# Altium PCB PCB1.PcbDoc (part 1 of 2) (continued)
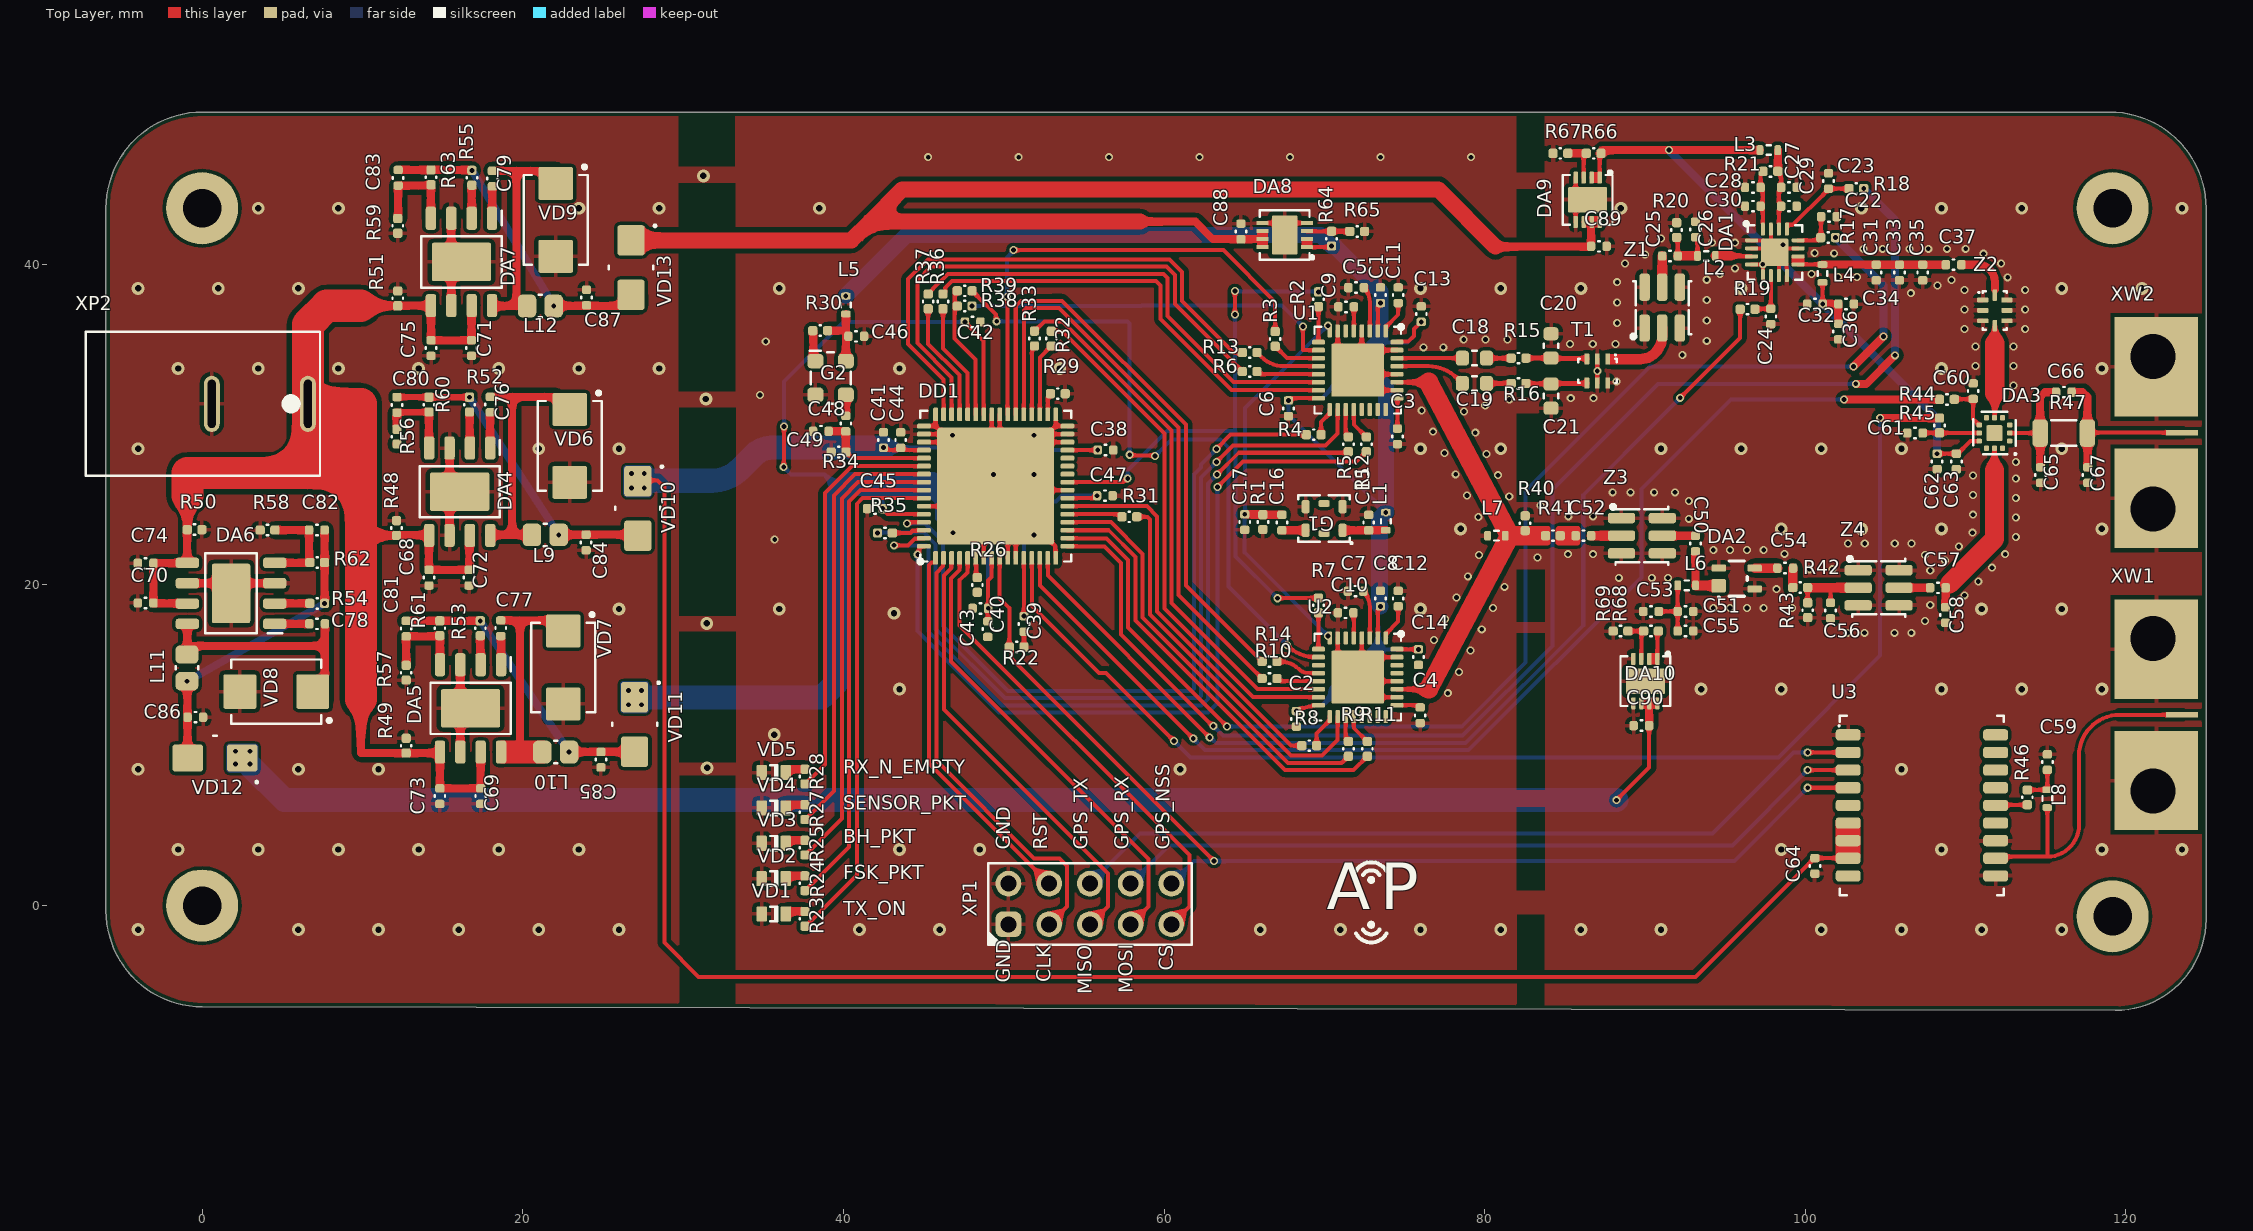
[diagram p0: Top Layer view]
## Components (designator, comment, footprint, x,y, rotation, side; value= is the part's Value field where it differs from the comment) (continued)
R10 "100 Ом ± 0 % 0 Вт 0402" RESC100X50X40L25N 66.582,14.162 r0 top value="100 Ом"
R11 "100 Ом ± 0 % 0 Вт 0402" RESC100X50X40L25N 72.682,9.775 r90 top value="100 Ом"
R12 "100 Ом ± 0 % 0 Вт 0402" RESC100X50X40L25N 72.62,28.772 r90 top value="100 Ом"
R13 "100 Ом ± 0 % 0 Вт 0402" RESC100X50X40L25N 65.345,34.497 r0 top value="100 Ом"
R14 "100 Ом ± 0 % 0 Вт 0402" RESC100X50X40L25N 66.582,15.225 r0 top value="100 Ом"
R15 "22,3 Ом ± 0 % 0 Вт 0402" RESC100X50X40L25N 82.115,34.147 r0 top value="22,3 Ом"
R16 "22,3 Ом ± 0 % 0 Вт 0402" RESC100X50X40L25N 82.115,32.572 r0 top value="22,3 Ом"
R17 "300 Ом ± 0 % 0 Вт 0402" RESC100X50X40L25N 101.425,41.665 r180 top value="300 Ом"
R18 "300 Ом ± 0 % 0 Вт 0402" RESC100X50X40L25N 103.185,44.725 r180 top value="300 Ом"
R19 "300 Ом ± 0 % 0 Вт 0402" RESC100X50X40L25N 96.4,37.2 r0 top value="300 Ом"
R20 "TBD ± 0 % 0 Вт 0402" RESC100X50X40L25N 91.975,42.14 r90 top value=TBD
R21 "4 Ом ± 0 % 0 Вт 0402" RESC100X50X40L25N 97.825,45.8 r180 top value="4 Ом"
R22 "10 кОм ± 0 % 0 Вт 0402" RESC100X50X40L25N 50.805,16.121 r180 top value="10 кОм"
R23 "470 Ом ± 0 % 0 Вт 0402" RESC100X50X40L25N 37.6,-0.825 r90 top value="470 Ом"
R24 "470 Ом ± 0 % 0 Вт 0402" RESC100X50X40L25N 37.6,1.394 r90 top value="470 Ом"
R25 "470 Ом ± 0 % 0 Вт 0402" RESC100X50X40L25N 37.6,3.613 r90 top value="470 Ом"
R26 "0 Ом ± 0 % 0 Вт 0402" RESC100X50X40L25N 48.35,20 r90 top value="0 Ом"
R27 "470 Ом ± 0 % 0 Вт 0402" RESC100X50X40L25N 37.6,5.831 r90 top value="470 Ом"
R28 "470 Ом ± 0 % 0 Вт 0402" RESC100X50X40L25N 37.6,8.05 r90 top value="470 Ом"
R29 "0 Ом ± 0 % 0 Вт 0402" RESC100X50X40L25N 53.375,31.93 r180 top value="0 Ом"
R30 "10 кОм ± 0 % 0 Вт 0402" RESC100X50X40L25N 38.55,35.863 r180 top value="10 кОм"
R31 "100 Ом ± 0 % 0 Вт 0402" RESC100X50X40L25N 57.835,24.254 r180 top value="100 Ом"
R32 "100 Ом ± 0 % 0 Вт 0402" RESC100X50X40L25N 52.969,35.369 r270 top value="100 Ом"
R33 "100 Ом ± 0 % 0 Вт 0402" RESC100X50X40L25N 51.919,35.371 r270 top value="100 Ом"
R34 "DNP ± 0 % 0 Вт 0402" RESC100X50X40L25N 39.7,28.287 r180 top value=DNP
R35 "100 Ом ± 0 % 0 Вт 0402" RESC100X50X40L25N 42.59,23.242 r180 top value="100 Ом"
R36 "100 Ом ± 0 % 0 Вт 0402" RESC100X50X40L25N 46.213,37.687 r90 top value="100 Ом"
R37 "100 Ом ± 0 % 0 Вт 0402" RESC100X50X40L25N 45.288,37.687 r90 top value="100 Ом"
R38 "100 Ом ± 0 % 0 Вт 0402" RESC100X50X40L25N 47.566,37.397 r0 top value="100 Ом"
R39 "100 Ом ± 0 % 0 Вт 0402" RESC100X50X40L25N 47.566,38.347 r0 top value="100 Ом"
R40 "53 Ом ± 0 % 0 Вт 0402" RESC100X50X40L25N 82.525,23.85 r90 top value="53 Ом"
R41 "0 Ом ± 0 % 0 Вт 0402" RESC100X50X40L25N 84.26,23.072 r180 top value="0 Ом"
R42 "0 Ом ± 0 % 0 Вт 0402" RESC100X50X40L25N 99.685,19.835 r180 top value="0 Ом"
R43 "154 Ом ± 0 % 0 Вт 0402" RESC100X50X40L25N 100.15,18.425 r270 top value="154 Ом"
R44 "300 Ом ± 0 % 0 Вт 0402" RESC100X50X40L25N 108.835,31.575 r0 top value="300 Ом"
R45 "300 Ом ± 0 % 0 Вт 0402" RESC100X50X40L25N 108.375,29.95 r270 top value="300 Ом"
R46 "10 Ом ± 0 % 0 Вт 0402" RESC100X50X40L25N 113.85,6.75 r270 top value="10 Ом"
R47 "0 Ом ± 0 % 0 Вт 1206" RESC310X160X55L50N 116.125,29.475 r0 top value="0 Ом"
R48 "10 кОм ± 0 % 0 Вт 0402" RESC100X50X40L25N 12.125,23.55 r90 top value="10 кОм"
R49 "10 кОм ± 0 % 0 Вт 0402" RESC100X50X40L25N 12.725,9.975 r90 top value="10 кОм"
R50 "10 кОм ± 0 % 0 Вт 0402" RESC100X50X40L25N -0.475,23.45 r0 top value="10 кОм"
R51 "10 кОм ± 0 % 0 Вт 0402" RESC100X50X40L25N 12.2,37.875 r90 top value="10 кОм"
R52 "47 кОм ± 0 % 0 Вт 0402" RESC100X50X40L25N 16.675,31.25 r90 top value="47 кОм"
R53 "47 кОм ± 0 % 0 Вт 0402" RESC100X50X40L25N 17.35,17.3 r90 top value="47 кОм"
R54 "47 кОм ± 0 % 0 Вт 0402" RESC100X50X40L25N 7.175,18.85 r0 top value="47 кОм"
R55 "47 кОм ± 0 % 0 Вт 0402" RESC100X50X40L25N 16.825,45.4 r90 top value="47 кОм"
R56 "3.01 кОм ± 0 % 0 Вт 0402" RESC100X50X40L25N 12.15,29.25 r270 top value="3.01 кОм"
R57 "3.01 кОм ± 0 % 0 Вт 0402" RESC100X50X40L25N 12.725,14.525 r270 top value="3.01 кОм"
R58 "2 кОм ± 0 % 0 Вт 0402" RESC100X50X40L25N 4.075,23.425 r180 top value="2 кОм"
R59 "3.01 кОм ± 0 % 0 Вт 0402" RESC100X50X40L25N 12.2,42.4 r270 top value="3.01 кОм"
R60 "5,23 кОм ± 0 % 0 Вт 0402" RESC100X50X40L25N 14.15,31.25 r270 top value="5,23 кОм"
R61 "2,4 кОм ± 0 % 0 Вт 0402" RESC100X50X40L25N 14.825,17.3 r270 top value="2,4 кОм"
R62 "7,23 кОм ± 0 % 0 Вт 0402" RESC100X50X40L25N 7.175,21.4 r180 top value="7,23 кОм"
R63 "6,42 кОм ± 0 % 0 Вт 0402" RESC100X50X40L25N 14.275,45.425 r270 top value="6,42 кОм"
R64 "4,42 кОм ± 0 % 0 Вт 0402" RESC100X50X40L25N 70.45,41.603 r90 top value="4,42 кОм"
R65 "3,01 кОм ± 0 % 0 Вт 0402" RESC100X50X40L25N 72.05,42.053 r0 top value="3,01 кОм"
R66 "4,42 кОм ± 0 % 0 Вт 0402" RESC100X50X40L25N 86.8,46.925 r180 top value="4,42 кОм"
R67 "3,01 кОм ± 0 % 0 Вт 0402" RESC100X50X40L25N 84.725,46.925 r180 top value="3,01 кОм"
R68 "9,42 кОм ± 0 % 0 Вт 0402" RESC100X50X40L25N 90.375,17.125 r180 top value="9,42 кОм"
R69 "3,01 кОм ± 0 % 0 Вт 0402" RESC100X50X40L25N 88.475,17.125 r180 top value="3,01 кОм"
T1 "0868BM15C0001*" LCC065P125X200X085-6 87.028,33.35 r270 top
U1 "SX1257IWLTRT" SX1257IWLTRT 72.085,33.397 r270 top
U2 "SX1257IWLTRT" SX1257IWLTRT 72.085,14.247 r270 top
U3 "MAX-7*" MAX-7-Q0 107.275,6.25 r0 top
VD1 "KP-1608ZGC" KP-1608ZGC 35.65,-0.525 r180 top
VD2 "KP-1608SYCK" KP-1608ZGC 35.65,1.681 r180 top
VD3 "KP-1608QBC-D" KP-1608ZGC 35.65,3.888 r180 top
VD4 "KP-1608ZGC" KP-1608ZGC 35.65,6.094 r180 top
VD5 "KP-1608SURC" KP-1608ZGC 35.65,8.3 r180 top
VD6 "STPS3L60U" DIOM5436X11N 22.925,28.675 r270 top
VD7 "STPS3L60U" DIOM5436X11N 22.525,14.85 r270 top
VD8 "STPS3L60U" DIOM5436X11N 4.625,13.35 r180 top
VD9 "STPS3L60U" DIOM5436X11N 22.05,42.775 r270 top
VD10 "B340A-M3" DIOC4227X10N 27.175,24.775 r270 top
VD11 "B340A-M3" DIOC4227X10N 26.975,11.3 r270 top
VD12 "B340A-M3" DIOC4227X10N 0.8,9.2 r180 top
VD13 "B340A-M3" DIOC4227X10N 26.75,39.8 r270 top
XP1 "DS1021-2x5SF11-B" HDRV10W64P254_5X2_1270X508H854 55.375,0.1 r0 top
XP2 "DS-201" DS-201 0.05,31.3 r0 top
XW1 "32K243-40ML5" 32K243-40ML5 124.498,11.9 r180 top
XW2 "32K243-40ML5" 32K243-40ML5 124.498,29.5 r180 top
Z1 "FP3P7-814-10" LCCS110P300X300X146-6N 91.075,37.3 r90 top
Z2 "0868LP15A020E" LCC065P125X200X085-8 111.825,37.125 r0 top
Z3 "FP3P7-814-10" LCCS110P300X300X146-6N 89.81,23.072 r0 top
Z4 "FP3P7-814-10" LCCS110P300X300X146-6N 104.575,19.825 r0 top
? "Comment" M2_Hole#1 0,0 r0 top
? "Comment" M2_Hole#2 119.175,-0.675 r0 top
? "Comment" M2_Hole#3 119.175,43.5 r0 top
? "Comment" M2_Hole#4 0,43.5 r0 top

## Footprints (in the part's own frame and the unit in brackets; to place one, negate y for a bottom-side part, rotate by r counter-clockwise, add the part's x,y. Pads: shape width x height; smd on the part's side, far side on the other; paste and mask are expansions set on the pad)
32K243-40ML5 [mm] "Right Angle Jack PCB SMA Female End Launch Connector"
  rect 2x0.35 smd paste-1 mask+0: 1(1,0)
  rect 5.2x4 smd far side paste-4 mask+0: 2(2.6,0)
  rect 5.2x6.2 hole 2.8 copper offset -0.2,-0.65 paste-2.6 mask+0: 2(2.8,4.75)
  rect 5.2x6.2 hole 2.8 copper offset -0.2,0.65 paste-2.6 mask+0: 2(2.8,-4.75)
  body extent -9.5,-7 5,7, height 4.14
CAPC100X50X55L20N [mm] "Capacitor, Chip; 1.00 mm L X 0.50 mm W X 0.55 mm H body"
  rrect50% 0.53x0.58 smd: 1(-0.485,0) 2(0.485,0)
  silkscreen extent -0.05,-0.33 0.05,0.33, body extent -0.5,-0.25 0.5,0.25, height 0.55
CAPC160X80X90L30N [mm] "Capacitor, Chip; 1.60 mm L X 0.80 mm W X 0.90 mm H body"
  rrect50% 0.82x0.93 smd: 1(-0.755,0) 2(0.755,0)
  silkscreen extent -0.13,-0.45 0.13,0.45, body extent -0.8,-0.4 0.8,0.4, height 0.9
DIOC4227X10N [mm] "Chip Diode, 2-Leads, Body 4,25x2,67mm, IPC Medium Density"
  rrect20% 1.9x1.7 smd: 1(-1.7,0) 2(1.7,0)
  silkscreen extent -2.65,-1.4 0.1,1.55, body extent -2.25,-1.4 2.25,1.4, height 1
DIOM5436X11N [mm] "Molded Diode, 2-Leads, Body 5,40x3,63mm, IPC Medium Density"
  rrect10% 2.05x2.15 smd: 1(-2.275,0) 2(2.275,0)
  silkscreen extent -3.42,-2 2.8,2, body extent -3.02,-1.97 3.02,1.97, height 1.1
DS-201 [mm] "DC Supply"
  oval 1x3.5 hole 0.5 slot 3 at 90 deg: 1(6.55,0) 2(0.55,0)
  silkscreen extent -7.3,-4.5 7.3,4.5, body extent -7.25,-4.5 7.25,4.5, height 11
DSC1001CI2 [mm] "4-Leads, Body 2,50x3,20mm, Pitch 2,10mm, IPC Medium Density"
  rrect50% 1x0.9 smd: 1(-0.95,1.05) 2(-0.95,-1.05) 3(0.95,-1.05) 4(0.95,1.05)
  silkscreen extent -1.3,-1.6 1.25,1.7, body extent -1.25,-1.6 1.25,1.6, height 0.9
HDRV10W64P254_5X2_1270X508H854 [mm] "Header, Vertical, 2.54 mm pitch; 0.64 mm lead width, 10 pins, 2 rows, 5 pins per row, 12.70 mm L X 5.08 mm W X 8.54 mm H body"
  rrect50% 1.6x1.6 hole 1: 1(-5.08,-1.27)
  round 1.6 hole 1: 2(-5.08,1.27) 3(-2.54,-1.27) 4(-2.54,1.27) 5(0,-1.27) 6(0,1.27) 7(2.54,-1.27) 8(2.54,1.27) 9(5.08,-1.27) 10(5.08,1.27)
  silkscreen extent -6.35,-2.55 6.35,2.55, body extent -6.35,-2.54 6.35,2.54, height 8.54
INDC100X50X60L10N [mm] "Inductor, Chip; 1.00 mm L X 0.50 mm W X 0.60 mm H body"
  rrect50% 0.42x0.61 smd: 1(-0.555,0) 2(0.555,0)
  silkscreen extent -0.13,-0.3 0.13,0.3, body extent -0.5,-0.25 0.5,0.25, height 0.6
INDC200X120X110L50N [mm] "Inductor, Chip; 2.00 mm L X 1.20 mm W X 1.10 mm H body"
  rrect50% 1.15x1.42 smd: 1(-0.835,0) 2(0.835,0)
  silkscreen extent -0.1,-0.7 0.1,0.7, body extent -1,-0.6 1,0.6, height 1.1
KP-1608ZGC [mm] "SODFL, 2-Leads, Body 0,80x1,60mm, IPC Medium Density"
  rrect25% 0.65x0.95 smd: 1(-0.75,0) 2(0.75,0)
  silkscreen extent -0.3,-0.45 0.23,0.45, body extent -0.8,-0.37 0.8,0.38, height 1.1
KT2520K [mm] "6-Pins, Body 2,50x2,50mmx0,80mm"
  rrect50% 0.5x0.825 smd: 1(-1.15,-0.737) 3(1.15,-0.737) 4(1.15,0.737) 6(-1.15,0.737)
  rrect50% 0.7x0.43 smd: 2(0,-0.935) 5(0,0.935)
  silkscreen extent -1.76,-1.45 1.6,1.59, body extent -1.26,-1.26 1.26,1.26, height 0.8
LCC065P125X200X085-6 [mm] "Johanson Ceramic Packages 2mm length, 1.25mm width,0.85mm tall, 0.65mm pitch, 0.3mm pin width, 0.3mm pin length"
  rrect40% 0.7x0.3 smd: 1(-0.75,0.65) 2(-0.75,0) 3(-0.75,-0.65) 4(0.75,-0.65) 5(0.75,0) 6(0.75,0.65)
  silkscreen extent -1.05,-1.2 0.75,1.2, body extent -0.58,-1.05 0.58,1.05, height 1
LCC065P125X200X085-8 [mm] "Johanson Ceramic Packages 2mm length, 1.25mm width,0.85mm tall, 0.65mm pitch, 0.3mm pin width, 0.3mm pin length"
  rrect40% 0.7x0.3 smd: 1(-0.75,0.65) 2(-0.75,0) 3(-0.75,-0.65) 5(0.75,-0.65) 6(0.75,0) 7(0.75,0.65)
  rrect40% 0.3x0.7 smd: 4(0,-0.95) 8(0,0.95)
  silkscreen extent -1.05,-1.2 0.75,1.2, body extent -0.58,-1.05 0.58,1.05, height 1
LCCS110P300X300X146-6N [mm] "LCC, 6-Pins, Body 3,00x3,00mmx1,46mm, Pitch 1,10mm, IPC Medium Density"
  rrect50% 1.7x0.65 smd: 1(-1.275,1.1) 2(-1.275,0) 3(-1.275,-1.1) 4(1.275,-1.1) 5(1.275,0) 6(1.275,1.1)
  silkscreen extent -1.92,-1.8 1.65,1.92, body extent -1.5,-1.5 1.5,1.5, height 1.46
M2_Hole#1 [mm]
  round 4.5 / inner round 3.4 / far side round 4.5 hole 2.4: MH4(0,0)
  body extent -1.9,-1.9 1.9,1.9, height 1.3
M2_Hole#2 [mm]
  round 4.5 / inner round 3.4 / far side round 4.5 hole 2.4: MH3(0,0)
  body extent -1.9,-1.9 1.9,1.9, height 1.3
M2_Hole#3 [mm]
  round 4.5 / inner round 3.4 / far side round 4.5 hole 2.4: MH2(0,0)
  body extent -1.9,-1.9 1.9,1.9, height 1.3
M2_Hole#4 [mm]
  round 4.5 / inner round 3.4 / far side round 4.5 hole 2.4: MH1(0,0)
  body extent -1.9,-1.9 1.9,1.9, height 1.3
MAX-7-Q0 [mm] "Chip Array, Flat, 18-Leads, Pitch 1,10mm,  Body 10,35x9,70mm,  IPC Medium Density"
  rrect50% 1.55x0.7 smd: 1(-4.6,4.4) 2(-4.6,3.3) 3(-4.6,2.2) 4(-4.6,1.1) 5(-4.6,0) 6(-4.6,-1.1) 7(-4.6,-2.2) 8(-4.6,-3.3) 9(-4.6,-4.4) 10(4.6,-4.4) 11(4.6,-3.3) 12(4.6,-2.2) 13(4.6,-1.1) 14(4.6,0) 15(4.6,1.1) 16(4.6,2.2) 17(4.6,3.3) 18(4.6,4.4)
  silkscreen extent -5.21,-5.6 5.1,5.6, body extent -4.85,-5.05 4.85,5.05, height 2.5
PQFN50P200X200X60_HS-13N [mm] "PQFN, 12-Leads, Body 2.00x2.00mm, Pitch 0.50mm, Thermal Pad 1.00x1.00mm, IPC Medium Density"
  rrect50% 0.35x0.3 smd: 1(-0.95,0.5) 2(-0.95,0) 3(-0.95,-0.5) 7(0.95,-0.5) 8(0.95,0) 9(0.95,0.5)
  rrect50% 0.3x0.35 smd: 4(-0.5,-0.95) 5(0,-0.95) 6(0.5,-0.95) 10(0.5,0.95) 11(0,0.95) 12(-0.5,0.95)
  rrect20% 1x1 smd: 13(0,0)
  silkscreen extent -1.35,-1.33 1.33,1.35, body extent -1.02,-1.02 1.02,1.02, height 0.6
QFN50P300X300X90_HS-17N [mm] "QFN, 16-Leads, Body 3,00x3,00mm, Pitch 0,50mm, Thermal Pad 1,73x1,73mm, IPC Medium Density"
  rrect50% 0.8x0.25 smd: 1(-1.45,0.75) 2(-1.45,0.25) 3(-1.45,-0.25) 4(-1.45,-0.75) 9(1.45,-0.75) 10(1.45,-0.25) 11(1.45,0.25) 12(1.45,0.75)
  rrect50% 0.25x0.8 smd: 5(-0.75,-1.45) 6(-0.25,-1.45) 7(0.25,-1.45) 8(0.75,-1.45) 13(0.75,1.45) 14(0.25,1.45) 15(-0.25,1.45) 16(-0.75,1.45)
  rrect10% 1.7x1.7 smd: 17(0,0)
  silkscreen extent -1.89,-1.7 1.7,1.89, body extent -1.55,-1.55 1.55,1.55, height 0.9
RESC100X50X40L25N [mm] "Resistor, Chip; 1.00 mm L X 0.50 mm W X 0.40 mm H body"
  rrect50% 0.58x0.58 smd: 1(-0.46,0) 2(0.46,0)
  silkscreen extent -0.04,-0.32 0.04,0.33, body extent -0.5,-0.25 0.5,0.25, height 0.4
RESC310X160X55L50N [mm] "Resistor, Chip; 3.10 mm L X 1.60 mm W X 0.55 mm H body"
  rrect50% 0.96x1.71 smd: 1(-1.475,0) 2(1.475,0)
  silkscreen extent -0.78,-0.8 0.78,0.8, body extent -1.55,-0.8 1.55,0.8, height 0.55
SON9P50_300X300X80L40X25T244X160N [mm] "Small Outline No-Lead (SON with Tab), 0.50 mm pitch; 8 pin, 3.00 mm L X 3.00 mm W X 0.80 mm H body"
  rrect50% 0.27x0.76 smd: 1(-0.75,-1.385) 2(-0.25,-1.385) 3(0.25,-1.385) 4(0.75,-1.385) 5(0.75,1.385) 6(0.25,1.385) 7(-0.25,1.385) 8(-0.75,1.385)
  rrect10% 2.44x1.6 smd: 9(0,0)
  silkscreen extent -1.55,-1.78 1.55,1.55, body extent -1.5,-1.55 1.5,1.55, height 0.8
SOP127P600X175_HS-9N [mm] "SOP, 8-Leads, Body 4,90x3,90mm, Pitch 1,27mm, Thermal Pad 3,50x2,40mm, IPC Medium Density"
  rrect50% 1.45x0.65 smd: 1(-2.725,1.905) 2(-2.725,0.635) 3(-2.725,-0.635) 4(-2.725,-1.905) 5(2.725,-1.905) 6(2.725,-0.635) 7(2.725,0.635) 8(2.725,1.905)
  rrect10% 2.4x3.7 smd: 9(0,0)
  silkscreen extent -3.2,-2.5 1.6,2.5, body extent -3,-2.5 3,2.5, height 1.75
SOT130P210X100-4N [mm] "SOT343, 4-Leads, Body 2,00x2,10mm, Pitch 1,30mm, IPC Medium Density"
  rrect25% 0.9x0.85 smd: 1(1.12,0.45)
  rrect40% 0.9x0.45 smd: 2(-1.12,0.65) 3(-1.12,-0.65) 4(1.12,-0.65)
  silkscreen extent -0.65,-1.1 1.17,1.22, body extent -0.9,-1.1 0.9,1.1, height 1
SX1257IWLTRT [mm] "QFN127P600-8N Package for SX1257"
  rrect50% 0.8x0.3 smd: 1(-2.45,1.75) 2(-2.45,1.25) 3(-2.45,0.75) 4(-2.45,0.25) 5(-2.45,-0.25) 6(-2.45,-0.75) 7(-2.45,-1.25) 8(-2.45,-1.75) 17(2.45,-1.75) 18(2.45,-1.25) 19(2.45,-0.75) 20(2.45,-0.25) 21(2.45,0.25) 22(2.45,0.75) 23(2.45,1.25) 24(2.45,1.75)
  rrect50% 0.3x0.8 smd: 9(-1.75,-2.45) 10(-1.25,-2.45) 11(-0.75,-2.45) 12(-0.25,-2.45) 13(0.25,-2.45) 14(0.75,-2.45) 15(1.25,-2.45) 16(1.75,-2.45) 25(1.75,2.45) 26(1.25,2.45) 27(0.75,2.45) 28(0.25,2.45) 29(-0.25,2.45) 30(-0.75,2.45) 31(-1.25,2.45) 32(-1.75,2.45)
  rrect5% 3.3x3.3 smd: 33(0,0)
  silkscreen extent -2.82,-2.7 2.7,2.83, body extent -2.55,-2.55 2.55,2.55, height 0.8
SX1301IMLTRC [mm] "QFN127P600-8N Package for SX1301IMLTRC"
  rrect50% 0.85x0.3 smd: 1(-4.475,3.75) 2(-4.475,3.25) 3(-4.475,2.75) 4(-4.475,2.25) 5(-4.475,1.75) 6(-4.475,1.25) 7(-4.475,0.75) 8(-4.475,0.25) 9(-4.475,-0.25) 10(-4.475,-0.75) 11(-4.475,-1.25) 12(-4.475,-1.75) 13(-4.475,-2.25) 14(-4.475,-2.75) 15(-4.475,-3.25) 16(-4.475,-3.75) 33(4.475,-3.75) 34(4.475,-3.25) 35(4.475,-2.75) 36(4.475,-2.25) 37(4.475,-1.75) 38(4.475,-1.25) 39(4.475,-0.75) 40(4.475,-0.25) 41(4.475,0.25) 42(4.475,0.75) 43(4.475,1.25) 44(4.475,1.75) 45(4.475,2.25) 46(4.475,2.75) 47(4.475,3.25) 48(4.475,3.75)
  rrect50% 0.3x0.85 smd: 17(-3.75,-4.475) 18(-3.25,-4.475) 19(-2.75,-4.475) 20(-2.25,-4.475) 21(-1.75,-4.475) 22(-1.25,-4.475) 23(-0.75,-4.475) 24(-0.25,-4.475) 25(0.25,-4.475) 26(0.75,-4.475) 27(1.25,-4.475) 28(1.75,-4.475) 29(2.25,-4.475) 30(2.75,-4.475) 31(3.25,-4.475) 32(3.75,-4.475) 49(3.75,4.475) 50(3.25,4.475) 51(2.75,4.475) 52(2.25,4.475) 53(1.75,4.475) 54(1.25,4.475) 55(0.75,4.475) 56(0.25,4.475) 57(-0.25,4.475) 58(-0.75,4.475) 59(-1.25,4.475) 60(-1.75,4.475) 61(-2.25,4.475) 62(-2.75,4.475) 63(-3.25,4.475) 64(-3.75,4.475)
  rrect5% 7.3x7.3 smd: 65(0,0)
  silkscreen extent -4.82,-4.7 4.7,4.82, body extent -4.55,-4.55 4.55,4.55, height 1

## Part data
C1 C2 C3 C4 C5 C6 C7 C8 C9 C10 C11 C12 C13 C14 C15 C16 C17 C22 C23 C24 C25 C26 C27 C28 C29 C30 C31 C32 C33 C34 C35 C36 C37 C38 C39 C40 C41 C42 C43 C44 C45 C46 C47 C48 C49 C50 C51 C52 C53 C54 C55 C56 C57 C58 C59 C60 C61 C62 C63 C64 C65 C66 C67 C68 C69 C70 C71 C72 C73 C74 C75 C76 C77 C78 C79 C80 C81 C82 C83 C84 C85 C86 C87 C88 C89 C90: library part "C 0402", "Capacitor 0402", Package=0402, Tolerance="0 %", 3D_Body=+, Category=Passive, Designer=Свидерский, Peak_Condition="0 В", Status=Approved, Subcategory=Capacitor
C18 C19 C20 C21: library part "C 0603", "Capacitor 0603", Package=0603, Tolerance="0 %", 3D_Body=+, Category=Passive, Designer=Свидерский, Peak_Condition="0 В", Status=Approved, Subcategory=Capacitor
DA1: "380 to 960 MHz, 3 to 5V programmable gain high efficiency power amplifier", Manufacturer="RFD, Qorvo", Package="16-Lead QFN", 3D_Body=+, Category=IC, ComponentLink1Description="Техническое описание", ComponentLink1URL=Q:\Libs\Descriptions_PDF\RFPA0133_data_sheet.pdf, Designer=Лазба, PartNumber=RFPA0133TR7, Status=Check, Subcategory=VGA
DA2: "50 MHz to 4000 MHz Low-Noise Amplifier", Manufacturer=Qorvo, Package=SOT343, 3D_Body=+, Category=IC, ComponentLink1Description="Техническое описание", ComponentLink1URL="Q:\Libs\Descriptions_PDF\SPF5043Z Data Sheet.pdf", Designer=Лазба, PartNumber=SPF5043Z, Status=Check, Subcategory=LNA
DA3: "Broadband SPDT Switch 0.005-6 GHz", Manufacturer="Analog Devices", 3D_Body=+, Category=IC, ComponentLink1Description="Техническое описание", ComponentLink1URL="Q:\Libs\Descriptions_PDF\RFSW1012 Data Sheet.pdf", Designer=Лазба, PartNumber=RFSW1012, Status=Check, Subcategory=Switch
DA4 DA5 DA6 DA7: "Up to 3 A step-down switching regulator", Manufacturer=STMicroelectronics, Package=HSOP-8, 3D_Body=+, Category=IC, ComponentLink1Description="Техническое описание", ComponentLink1URL=Q:\Libs\Descriptions_PDF\ST1S14.pdf, Designer=Затонская, PartNumber=ST1S14PH, Status=Check, Subcategory="Power Supply"
DA8 DA9 DA10: "1.1A, Low Noise,  Low Dropout Linear Regulator", Manufacturer="Analog Devices", Package="8-LEAD (3mm × 3mm) PLASTIC DFN", 3D_Body=+, Category=IC, ComponentLink1Description="Техническое описание", ComponentLink1URL=Q:\Libs\Descriptions_PDF\LT1965.pdf, Designer=Свидерский, PartNumber=LT1965*DD, Status=Approved, Subcategory="Power Supply"
DD1: "LoRa Core™ Digital Baseband Chip for outdoor LoRaWAN® network macro gateways", Manufacturer=Semtech, Package=QFN64, 3D_Body=+, Category=IC, ComponentLink1Description="Техническое описание", ComponentLink1URL=Q:\Libs\Descriptions_PDF\DS_SX1301_V2_4_W.pdf, Designer=Лазба, PartNumber=SX1301IMLTRC, Status=Check, Subcategory=BPP
G1: "Temperature Compensated Crystal Oscillators (TCXO, VCTCXO) Surface Mount Type", Manufacturer=Kyocera, Package="Miniature SMD type (2.5×2.0×0.8mm)", Standard Freq, MHz="19.2, 26, 32, 38.4, 48, 52", 3D_Body=+, Category=IC, ComponentLink1Description="Техническое описание", ComponentLink1URL=Q:\Libs\Descriptions_PDF\kt2520_e.pdf, Designer=Лазба, PartNumber=KT2520K.*****.*.*.*.**.*.*, Status=Check, Subcategory="Crystal Oscillator"
G2: library part DSC1001/3/4***-***.****, "1.8V-3.3V Low-Power Precision CMOS Oscillators 1-150 MHz Family", Manufacturer=Microchip, 3D_Body=+, Category=IC, ComponentLink1Description="Техническое описание", ComponentLink1URL=Q:\Libs\Descriptions_PDF\DSC1001-3-4\DSC1001-3-4.pdf, ComponentLink2Description="Техническое описание 2", ComponentLink2URL=Q:\Libs\Descriptions_PDF\DSC1001-3-4\DSC1001.pdf, Designer=Лазба, PartNumber=DSC1001CI2-133.0000, Status=Check, Subcategory="Crystal Oscillator"
L1 L2 L3 L4 L5 L6 L7 L8: library part "L 0402", "Inductor 0402", Package=0402, Tolerance="0 %", 3D_Body=+, Category=Passive, Designer=Свидерский, Peak_Condition="0 А", Status=Approved, Subcategory=Inductor
L9 L10 L11 L12: library part "L 0805", "Inductor 0805", Package=0805, Tolerance="0 %", 3D_Body=+, Category=Passive, Designer=Свидерский, Peak_Condition="0 А", Status=Approved, Subcategory=Inductor
R1 R2 R3 R4 R5 R6 R7 R8 R9 R10 R11 R12 R13 R14 R15 R16 R17 R18 R19 R20 R21 R22 R23 R24 R25 R26 R27 R28 R29 R30 R31 R32 R33 R34 R35 R36 R37 R38 R39 R40 R41 R42 R43 R44 R45 R46 R48 R49 R50 R51 R52 R53 R54 R55 R56 R57 R58 R59 R60 R61 R62 R63 R64 R65 R66 R67 R68 R69: library part "R 0402", "Resistor 0402", Package=0402, Tolerance="0 %", 3D_Body=+, Category=Passive, Designer=Свидерский, Peak_Condition="0 Вт", Status=Approved, Subcategory=Resistor
R47: library part "R 1206", "Resistor 1206", Package=1206, Tolerance="0 %", 3D_Body=+, Category=Passive, Designer=Свидерский, Peak_Condition="0 Вт", Status=Approved, Subcategory=Resistor
T1: "868MHz Center Frequency Balun/Filter for high frequency ceramic solutions 10MHz Bandwidth 0.5dB 0805 (2012 Metric), 8 PC Pad", Manufacturer="Johanson Technology Inc.", 3D_Body=+, Category=Passive, ComponentLink1Description="Техническое описание", ComponentLink1URL=Q:\Libs\Descriptions_PDF\0868BM15C0001.pdf, Designer=Лазба, PartNumber=0868BM15C0001*, Status=Check, Subcategory=Filter
U1 U2: "LoRa Core™ Low Power Digital I and Q RF Multi-PHY Mode Analog Front End 860-1000MHz", Manufacturer=Semtech, Package=QFN32, 3D_Body=+, Category=IC, ComponentLink1Description="Техническое описание", ComponentLink1URL=Q:\Libs\Descriptions_PDF\DS_SX1257_V1.2.pdf, Designer=Лазба, PartNumber=SX1257IWLTRT, Status=Check, Subcategory=Transciever
U3: library part MAX-7-*, "GPS/GNSS Module", Manufacturer=u-blox, 3D_Body=+, Category=IC, ComponentLink1Description="Техническое описание", ComponentLink1URL=Q:\Libs\Descriptions_PDF\MAX_7_DataSheet__UBX_13004068_-2010070.pdf, Designer=Лазба, PartNumber=MAX-7*, Status=Check, Subcategory=Transciever
VD1 VD2 VD3 VD4 VD5: library part KP-1608***, "1.6X0.8mm SMD CHIP LED LAMP", Manufacturer=Kingbright, Package="1.6mmX0.8mm SMD LED", 3D_Body=+, Category=Discrete, ComponentLink1Description="Техническое описание", ComponentLink1URL=Q:\Libs\Descriptions_PDF\KP-1608ZGC.pdf, Designer=Ушакова, Status=Approved, Subcategory=Diode
  VD1 VD4: PartNumber=KP-1608ZGC
  VD2: PartNumber=KP-1608SYCK
  VD3: PartNumber=KP-1608QBC-D
  VD5: PartNumber=KP-1608SURC
VD6 VD7 VD8 VD9: library part STPS3L60, "60 V, 3 A low drop Schottky rectifier", Manufacturer="Diodes Incorporated", Package=SMB, 3D_Body=+, Category=Discrete, ComponentLink1Description="Техническое описание", ComponentLink1URL=Q:\Libs\Descriptions_PDF\STPS3L60.pdf, Designer=Затонская, PartNumber=STPS3L60U, Status=Check, Subcategory=Diode
VD10 VD11 VD12 VD13: "SURFACE MOUNT SCHOTTKY BARRIER RECTIFIER", Manufacturer="Diodes Incorporated", Package=SOD-123, 3D_Body=+, Category=Discrete, ComponentLink1Description="Техническое описание", ComponentLink1URL=Q:\Libs\Descriptions_PDF\DOC001652710.pdf, Designer=Затонская, PartNumber=B340A-M3, Status=Check, Subcategory=Diode
XP1: "Вилка 2,54мм", Manufacturer="Connfly Electronic", 3D_Body=+, Category=Connector, ComponentLink1Description="Техническое описание", ComponentLink1URL=Q:\Libs\Descriptions_PDF\DS1021.pdf, Designer=Свидерский, PartNumber=DS1021-2x5SF11-B, Pins=2x5, Pitch=2.54mm, Status=Approved, Subcategory=Male, System=Connector
XP2: "DC supply 2 PIN DC-005 2.1x5.5mm", Manufacturer=AMASS, 3D_Body=+, Category=Connector, ComponentLink1Description="Техническое описание", ComponentLink1URL=Q:\Libs\Descriptions_PDF\XT60PW.pdf, Designer=Лазба, PartNumber=DS-201, Pins=2, Status=Check, Subcategory=Male, System=Connector
XW1 XW2: "RF connector, Right Angle Jack PCB SMA Female End Launch Connector", Manufacturer=Rosenberger, 3D_Body=+, Category=Connector, ComponentLink1Description="Техническое описание", ComponentLink1URL=Q:\Libs\Descriptions_PDF\32K243-40ML5.pdf, Designer=Шеремет, PartNumber=32K243-40ML5, Pins=Coax, Pitch=3.5mm, Status=Approved, Subcategory=RF, System=Connector
Z1 Z3 Z4: library part FP3P7-***-**, "BandPass Filter", Manufacturer=БУТИС, Package="SMD 3,0x3,0", 3D_Body=+, Category=Passive, ComponentLink1Description="Техническое описание", ComponentLink1URL=Q:\Libs\Descriptions_PDF\FP3P7-814-10.pdf, Designer=Лазба, PartNumber=FP3P7-814-10, Status=Check, Subcategory=Filter
Z2: library part 0868LP15A020, "868MHz Center Frequency Low Pass Filter for high frequency ceramic solutions 20MHz Bandwidth 0.5dB 0805 (2012 Metric), 8 PC Pad", Manufacturer="Johanson Technology Inc.", 3D_Body=+, Category=Passive, ComponentLink1Description="Техническое описание", ComponentLink1URL=Q:\Libs\Descriptions_PDF\0868LP15A020.pdf, Designer=Лазба, PartNumber=0868LP15A020E, Status=Check, Subcategory=Filter

## Via types
v1: diameter 0.5, hole 0.3, Top Layer to Bottom Layer, tented both sides, 218 vias
v2: diameter 0.8, hole 0.4, Top Layer to Bottom Layer, tented both sides, 98 vias
v3: diameter 0.6, hole 0.3, Top Layer to Bottom Layer, tented both sides, 18 vias

## Nets (pads, with @x,y where several pads share a name; then routed paths per layer and width w, separated by ;. In a path a pad name is that pad's centre, name@x,y a point inside that pad or via, vN(x,y) a via of type N, cw(c..) or ccw(c..) an arc to the next point about the centre after c; other vN are vias at no path point)
"+1.8 VD": C39.1 C40.1 C42.1 C43.1 C45.1 C47.1 DD1.8 DD1.12 DD1.23 DD1.42 DD1.60 VD11.1 | length 95.1
  Top Layer w0.25: v1(36.275,27.367) 36.287,27.38 36.287,29.863 v1(36.3,29.875) ; v1(42.446,24.763) 42.446,24.742 42.585,24.602 42.606,24.602 42.796,24.413 DD1.60@45.025,24.413 ; v1(47.581,36.407) 47.581,36.382 48.75,35.212 DD1.42@48.75,30.638 ; C43.1@49.006,17.724 49.019,17.736 49.019,18.528 v1(49.031,18.541) ; C40.1@49.031,18.57 49.031,20.276 49.25,20.495 DD1.8@49.25,21.688 ; DD1.12@51.25,21.688 51.258,21.68 51.258,18.063 v1(51.265,18.055) C39.1@51.34,18.13 ; DD1.23@53.975,25.413 55.681,25.413 55.821,25.552 v1(55.821,25.569)
  Bottom Layer w0.25: v1(36.275,27.367) 36.742,26.9 38.8,26.9 39.897,25.803 ; v1(36.3,29.875) 36.3,32.687 40.019,36.407 v1(47.581,36.407) ; 42.433,26.31 42.446,26.297 v1(42.446,24.763) ; v1(49.031,18.541) 49.031,21.58 49.243,21.791 49.243,24.763 ; 50.835,24.763 51.285,25.213 53.266,25.213 53.623,25.569 v1(55.821,25.569) ; v1(51.265,18.055) 51.265,24.672
  Bottom Layer w1.5: 26.975,12.975 38.646,12.975 39.525,13.854 39.525,25.431 40.404,26.31 42.433,26.31 45.568,26.31 46.447,25.431 46.447,24.935 ; 49.243,24.763 50.835,24.763
  other v3: 26.6,12.525 27.4,12.525 26.6,13.425 27.4,13.425
"+3,3V RFPA_VCC": C32.1 C34.1 C36.1 C62.2 C63.2 DA3.9 DA9.1 DA9.2 L3.1 L4.1 R66.1 | length 44.5
  Top Layer w0.25: DA9.2@86.675,45.41 86.93,45.41 DA9.1@87.175,45.41 R66.1@87.175,46.925 ; L4.1@101.075,38.875 101.08,38.87 101.08,37.53 v1(101.085,37.525) ; v1(108.225,28.19) C63.2@109.425,28.19 ; C63.2@109.425,28.33 109.655,28.33 110.3,28.975 DA3.9@110.85,28.975
  Top Layer w0.3: R66.1@87.175,46.925 R66.1@87.26,46.925
  Top Layer w0.5: R66.1@87.175,46.925 87.375,47.125 v1(91.5,47.125) L3.1@97.175,47.125 ; v1(101.085,37.525) C34.1@102.065,37.525 102.07,37.52 102.07,36.29 C36.1@102.075,36.285
  Bottom Layer w0.5: v1(91.5,47.125) 91.5,47.11 108.225,30.385 v1(108.225,28.19)
"+3.3 VD": C38.1 C41.1 C44.1 C64.1 DD1.29 DD1.52 U3.6 U3.7 U3.8 VD10.1 | length 143.7
  Top Layer w0.25: v3(27.575,26.95) v3(26.775,26.95) 27.2,26.525 28.4,26.525 28.825,26.1 28.825,-2.3 30.975,-4.45 93.165,-4.45 100.575,2.96 C64.1@100.6,2.96 ; v1(42.5,28.567) 42.655,28.413 C44.1@43.719,28.413 ; C44.1@43.55,28.527 C44.1@43.575,28.553 ; C44.1@43.579,28.553 C44.1@43.719,28.413 ; DD1.52@45.025,28.413 C44.1@43.719,28.413 ; DD1.29@53.975,28.413 v1(55.865,28.413) ; C64.1@100.587,2.968 102.668,2.968 102.675,2.96 U3.8@102.675,2.95
  Top Layer w1.5: VD10.1@27.175,26.475 27.2,26.5 VD10.1@27.275,26.5
  Bottom Layer w0.25: v1(42.5,28.567) 52.555,28.567 52.71,28.413 v1(55.865,28.413)
  Bottom Layer w1.5: 27.175,26.5 31.775,26.5 ccw(c31.775,29.035) 33.567,27.242 34.445,28.12 cw(c35.525,27.04) 35.525,28.567 v1(42.5,28.567)
  other v3: 26.775,26.05 27.575,26.05
+3.3V_133M: C1.2 C2.2 C6.2 C8.2 C13.2 C14.2 DA8.1 DA8.2 L1.1 L5.1 R64.1 U1.2 U1.16 U1.32 U2.2 U2.16 U2.32 | length 106
  Top Layer w0.25: L5.1@40.15,38.018 v1(40.15,38.028) L5.1@40.15,38.038 ; v1(67.76,31.507) 67.9,31.647 U1.16@69.635,31.647 ; v1(68.257,12.135) 68.414,12.268 69.36,12.472 U2.16@69.635,12.497 ; DA8.2@68.91,41.578 DA8.1@68.91,41.078 70.385,41.078 v1(70.45,41.143) ; U2.2@73.335,16.697 73.335,18.5 v1(73.5,18.665) ; U1.2@73.335,35.847 73.335,37.422 v1(73.5,37.587) ; U2.32@74.535,15.997 74.543,15.989 75.859,15.989 v1(75.867,15.98) ; U1.32@74.535,35.147 74.56,35.172 75.234,35.172 75.597,35.536 75.597,35.956 75.889,36.247 75.889,36.268 76.028,36.407 v1(76.049,36.407)
  Bottom Layer w0.25: v1(68.257,12.135) v1@68.446,12.253 ; 68.522,12.284 69.457,12.5 69.887,12.5 70.764,13.377 ; 71.071,32.868 69.849,31.647 67.967,31.647 67.827,31.507 v1(67.76,31.507) 67.76,30.602 v1(73.835,24.527) 73.835,19.137 ; 73.335,35.132 75.194,35.132 75.597,35.536 75.597,35.956 v1(76.049,36.407) ; 73.357,15.97 73.357,18.454 73.5,18.597 v1(73.5,18.665) ; 73.372,15.985 75.862,15.985 v1(75.867,15.98)
  Bottom Layer w1: v1(40.15,38.028) 43.959,41.837 69.756,41.837 v1(70.45,41.143) 70.65,41.143 73.5,38.293 v1(73.5,37.587) 73.5,35.297 73.335,35.132 72.203,34 ; 70.764,13.377 73.357,15.97 ; 71.071,32.868 72.203,34 ; v1(73.5,18.665) 73.399,18.766 73.399,24.091 v1(73.835,24.527) 73.835,32.368 72.203,34
+3.8V: C88.1 C89.1 DA8.6 DA8.7 DA8.8 DA9.6 DA9.7 DA9.8 VD13.1 | length 91.1
  Top Layer w0.25: DA8.8@66.14,41.078 66.14,41.568 DA8.7@66.14,41.578 DA8.6@66.14,42.078 ; DA9.6@86.175,42.64 86.635,42.64 DA9.7@86.675,42.64 DA9.8@87.175,42.64
  Top Layer w0.5: 58.5,42.663 61.948,42.663 63.043,41.568 C88.1@64.775,41.568 ; C88.1@64.8,41.568 DA8.7@66.14,41.568 ; 80.675,41.1 86.635,41.1 C89.1@86.635,41.125 DA9.7@86.635,42.64
  Top Layer w1: VD13.1@26.75,41.5 40.5,41.5 41.662,42.663 ; 58.5,42.663 41.662,42.663 ; 80.675,41.1 77.105,44.67 43.67,44.67 41.662,42.663
+5.6V: C90.1 DA10.6 DA10.7 DA10.8 VD12.1 | length 93
  Top Layer w0.25: v1(88.225,6.575) 90.26,8.61 C90.1@90.26,11.2
  Top Layer w0.5: C90.1@90.26,11.225 90.26,12.615 DA10.7@90.275,12.615
  Bottom Layer w1.5: v3@2.975,8.725 5.125,6.575 v1(88.225,6.575)
  other v3: 2.075,8.825 2.975,8.825 2.075,9.625 2.975,9.625
+5V_RFIN: C51.1 C53.1 C55.1 DA10.1 DA10.2 L6.1 R68.1 | length 6.3
  Top Layer w0.25: DA10.2@90.275,15.385 DA10.1@90.775,15.385 90.775,17.125 R68.1@90.835,17.125 ; C53.1@90.86,18.35 C51.1@92.04,18.35 ; C55.1@92.04,17.125 C51.1@92.04,18.35 ; L6.1@92.045,19.975 92.042,19.973 92.042,18.353 C51.1@92.04,18.35
BPF_IN_2: C50.1 Z3.5 | length 2.1
  Top Layer w0.25: Z3.5@91.085,23.072 Z3.5@91.088,23.069 ; C50.1@93.146,23.069 C50.1@93.15,23.065
  Top Layer w0.5: Z3.5@91.088,23.069 C50.1@93.146,23.069
CLK_HS: C48.2 C49.1 DD1.53 R34.1 | length 7.4
  Top Layer w0.25: R34.1@40.16,28.288 40.171,28.288 40.546,27.913 DD1.53@45.025,27.913
  Top Layer w0.5: C49.1@39.075,29.587 39.08,29.582 40.145,29.582 C48.2@40.15,29.577 40.155,29.573 40.155,28.292 R34.1@40.16,28.288
CLKO_A: R38.2 U1.10 | length 23.7
  Top Layer w0.25: v1(68.66,36.13) 68.66,34.647 U1.10@69.635,34.647
  Bottom Layer w0.25: v1(48.026,37.397) 58.587,37.397 58.633,37.443 67.346,37.443 v1(68.66,36.13)
CLKO_B: R39.2 U2.10 | length 41.9
  Top Layer w0.25: R39.2@48.026,38.347 48.03,38.347 49.512,36.865 49.512,36.495 v1(49.56,36.447) ; v1(57.86,28.122) 57.9,28.081 59.4,28.081 v1(59.441,28.04) ; v1(67.666,16.241) ccw(c69.462,18.037) 69.462,15.497 U2.10@69.635,15.497
  Bottom Layer w0.25: v1(49.56,36.447) 57.713,36.447 57.86,36.301 v1(57.86,28.122) ; v1(59.441,28.04) 60.46,29.059 63.51,29.059 64.01,28.559 64.01,19.897 v1(67.666,16.241)
G0: DD1.58 R23.1 | length 32
  Top Layer w0.25: R23.1@37.6,-1.285 37.611,-1.285 37.916,-0.98 37.94,-0.98 40.841,1.922 40.841,25.065 41.189,25.413 DD1.58@45.025,25.413
G1: DD1.57 R24.1 | length 30.4
  Top Layer w0.25: R24.1@37.6,0.934 37.611,0.934 37.916,1.239 37.94,1.239 40.35,3.649 40.35,25.21 41.052,25.913 DD1.57@45.025,25.913
G2: DD1.56 R25.1 | length 28.8
  Top Layer w0.25: R25.1@37.6,3.153 37.611,3.153 37.916,3.457 37.94,3.457 39.9,5.418 39.9,25.396 40.916,26.412 DD1.56@45.025,26.412
G3: DD1.55 R27.1 | length 27.1
  Top Layer w0.25: R27.1@37.6,5.371 37.611,5.371 37.916,5.676 37.94,5.676 39.4,7.137 39.4,25.575 40.738,26.913 DD1.55@45.025,26.913
G4: DD1.54 R28.1 | length 25.5
  Top Layer w0.25: R28.1@37.6,7.59 37.611,7.59 37.916,7.895 37.94,7.895 38.85,8.805 38.85,25.725 40.538,27.413 DD1.54@45.025,27.413